# Altium PCB HUB V1.3B.240322_TG.PcbDoc
Units mm, origin at the board's own origin, x right, y up, seen from the top; angles counter-clockwise.
Board outline 69 x 48 mm, 2 copper layers (Top Layer, Bottom Layer); 112 components, 84 nets, 308 pads, 142 vias.
Unrouted connection lines stored in the file: 37.
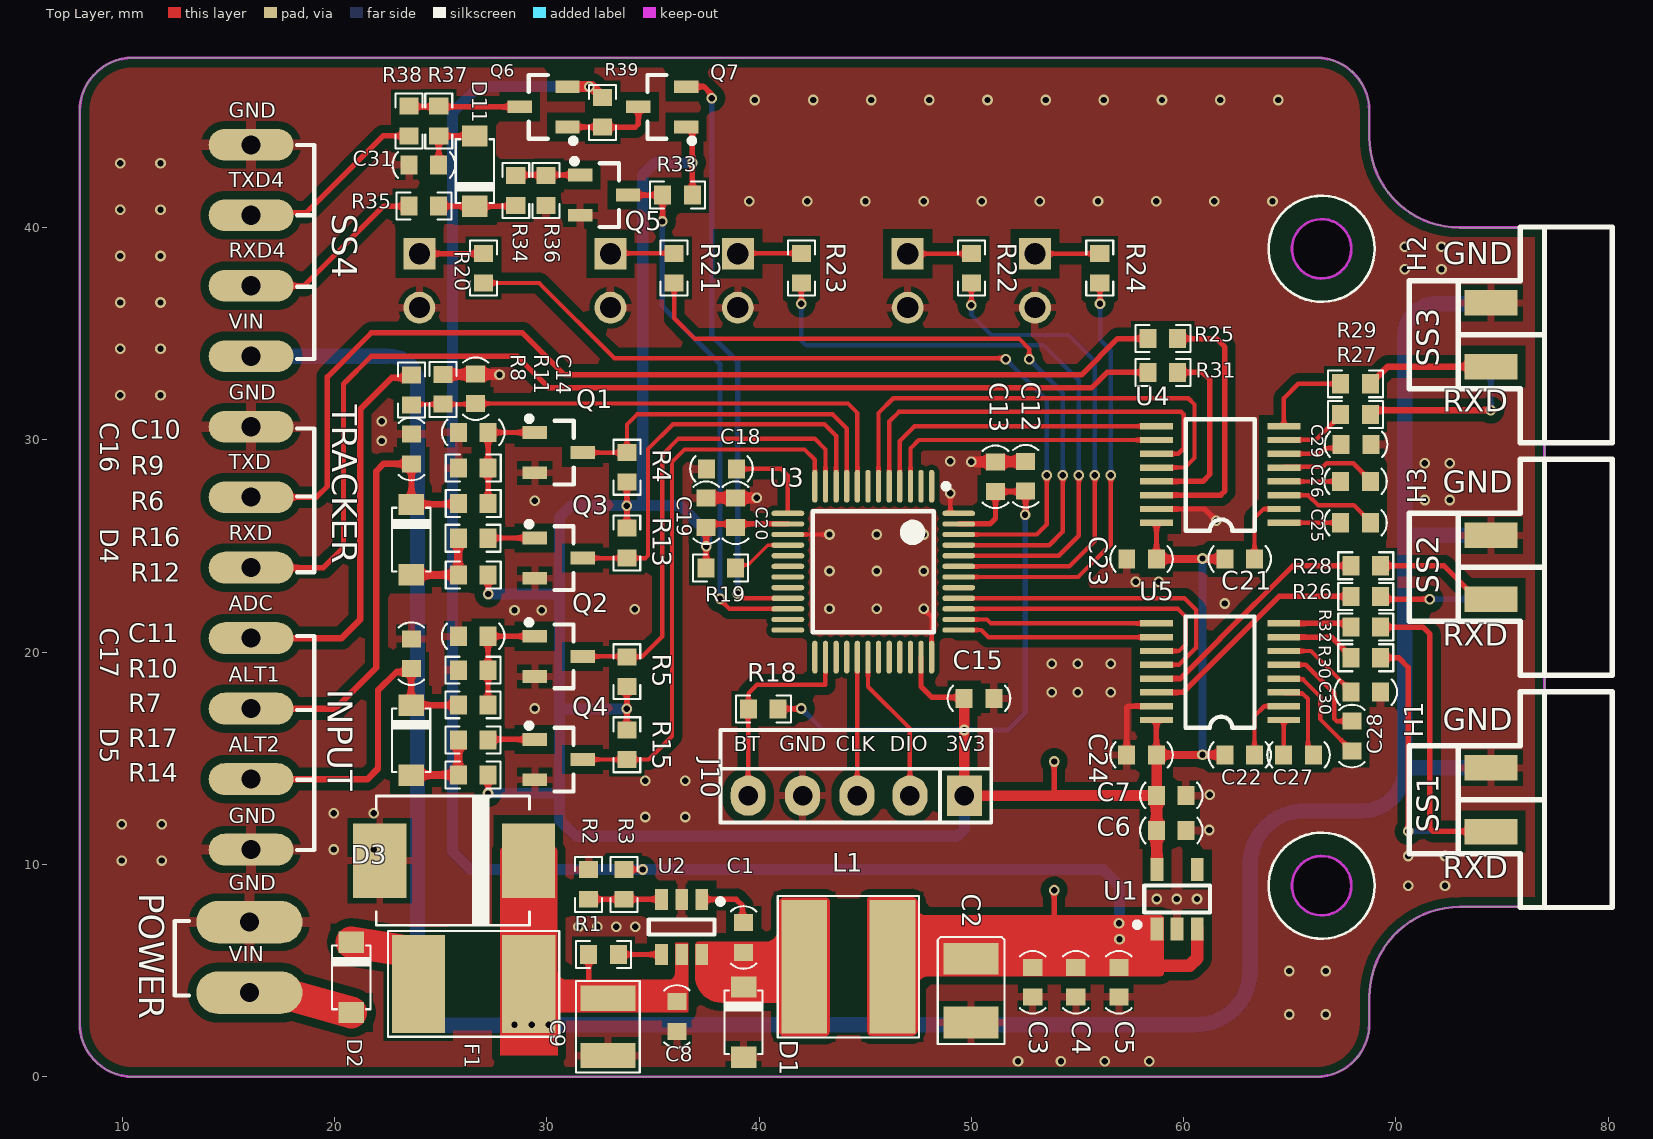
[diagram p0: Top Layer view]
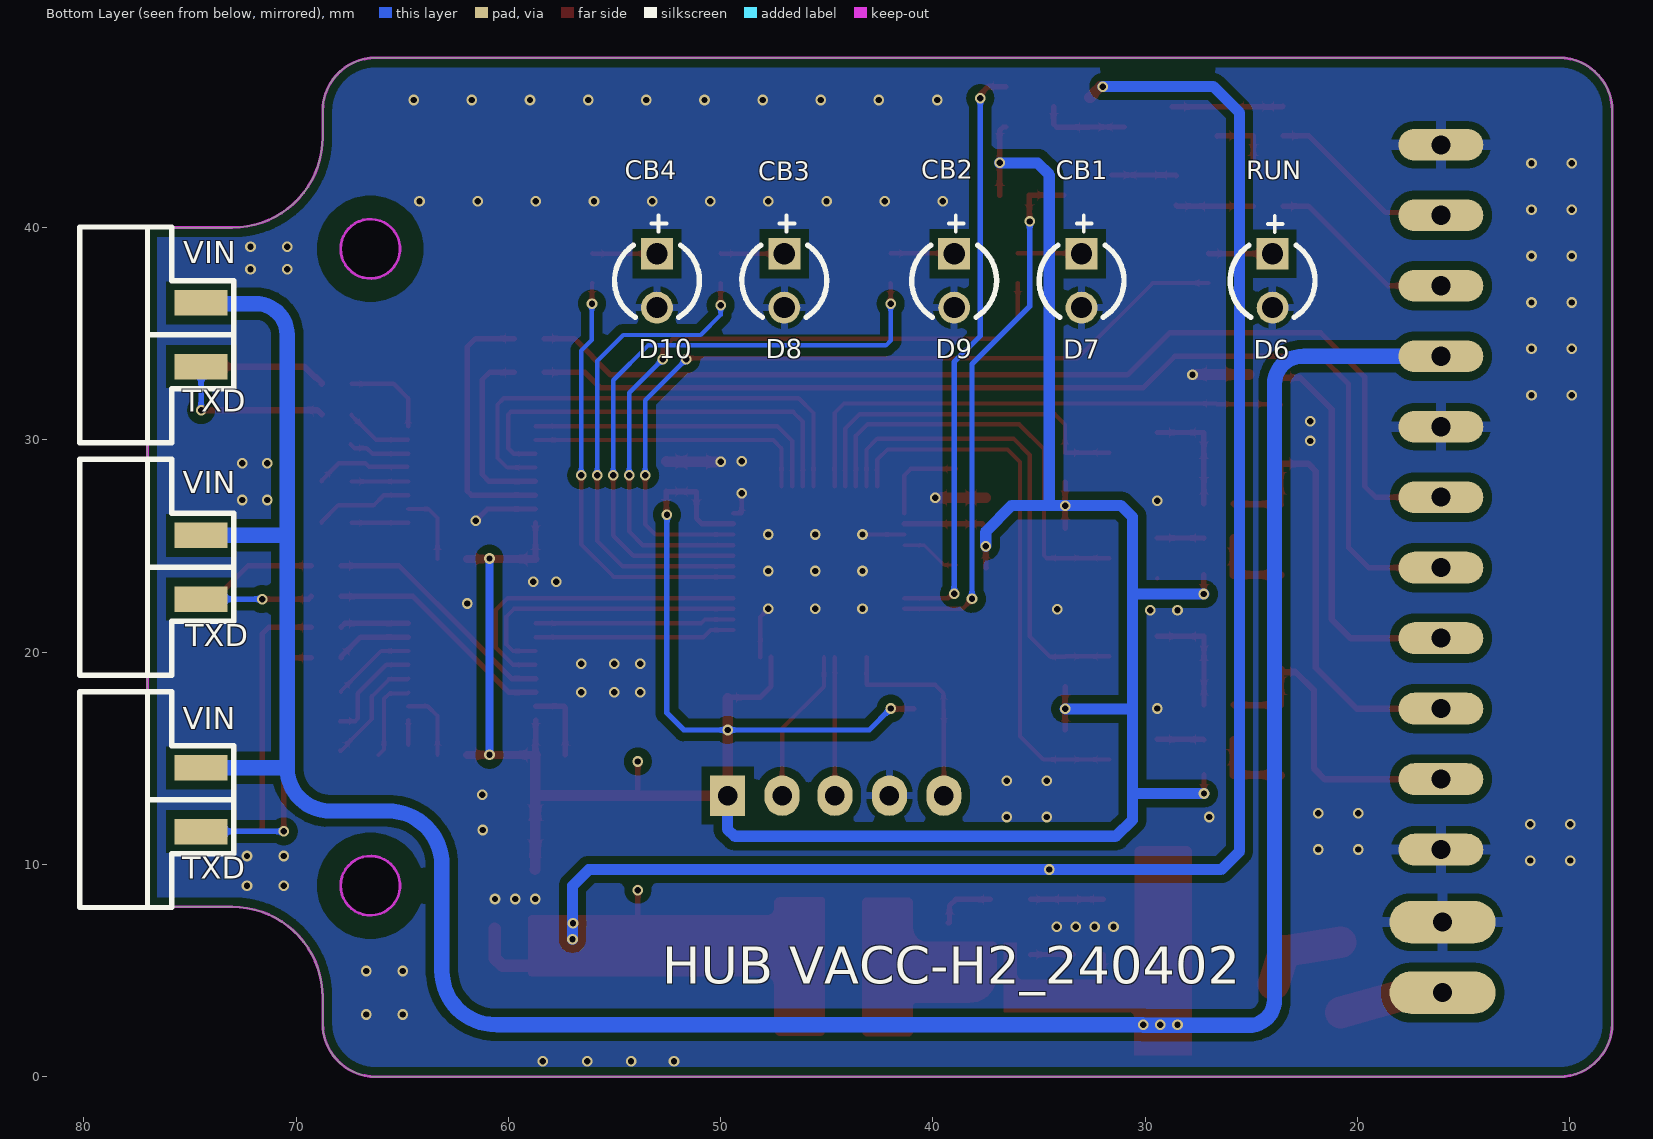
[diagram p1: Bottom Layer view, seen from below]
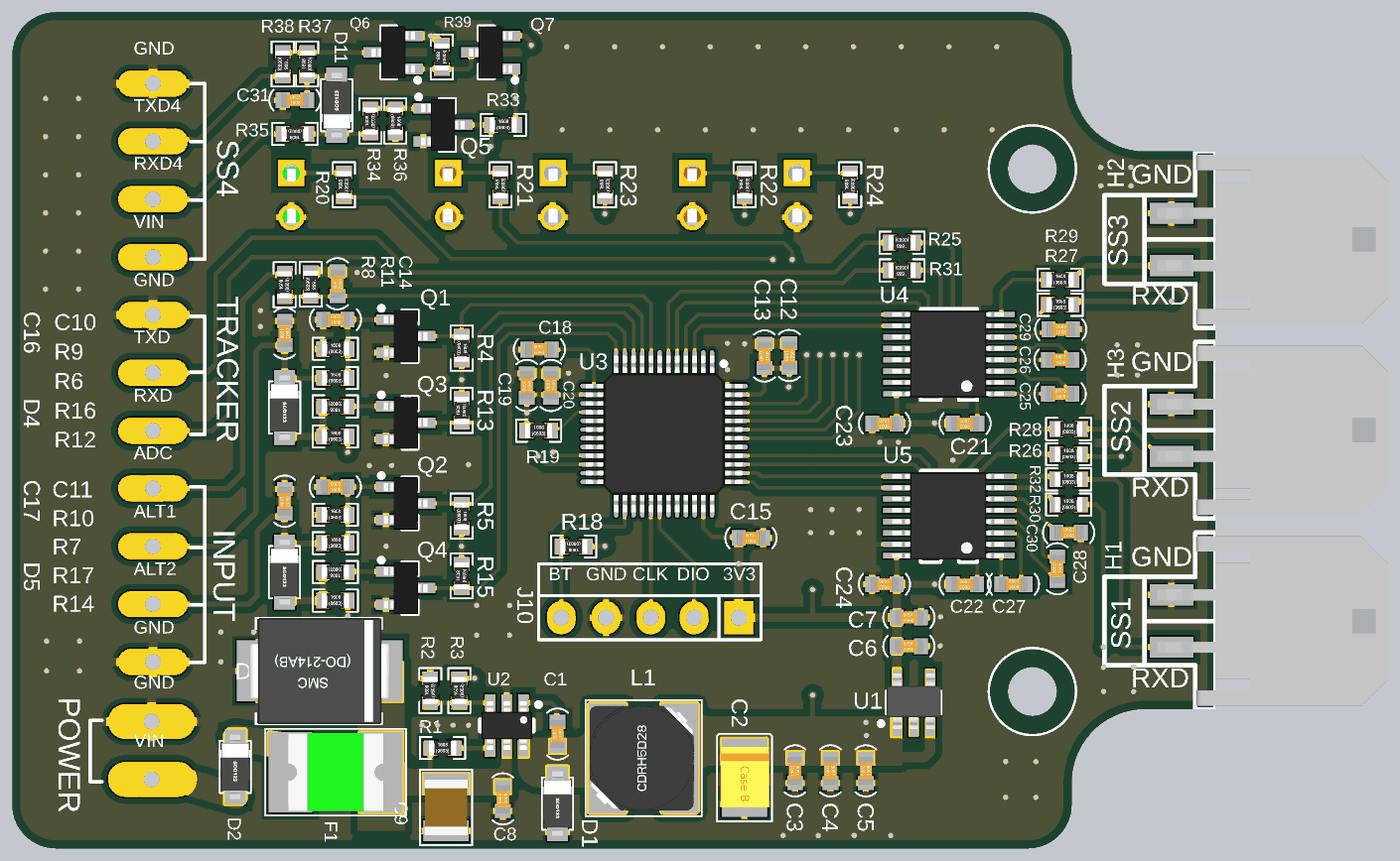
[diagram p2: 3D render of the assembled board from above, using the file's embedded part models]
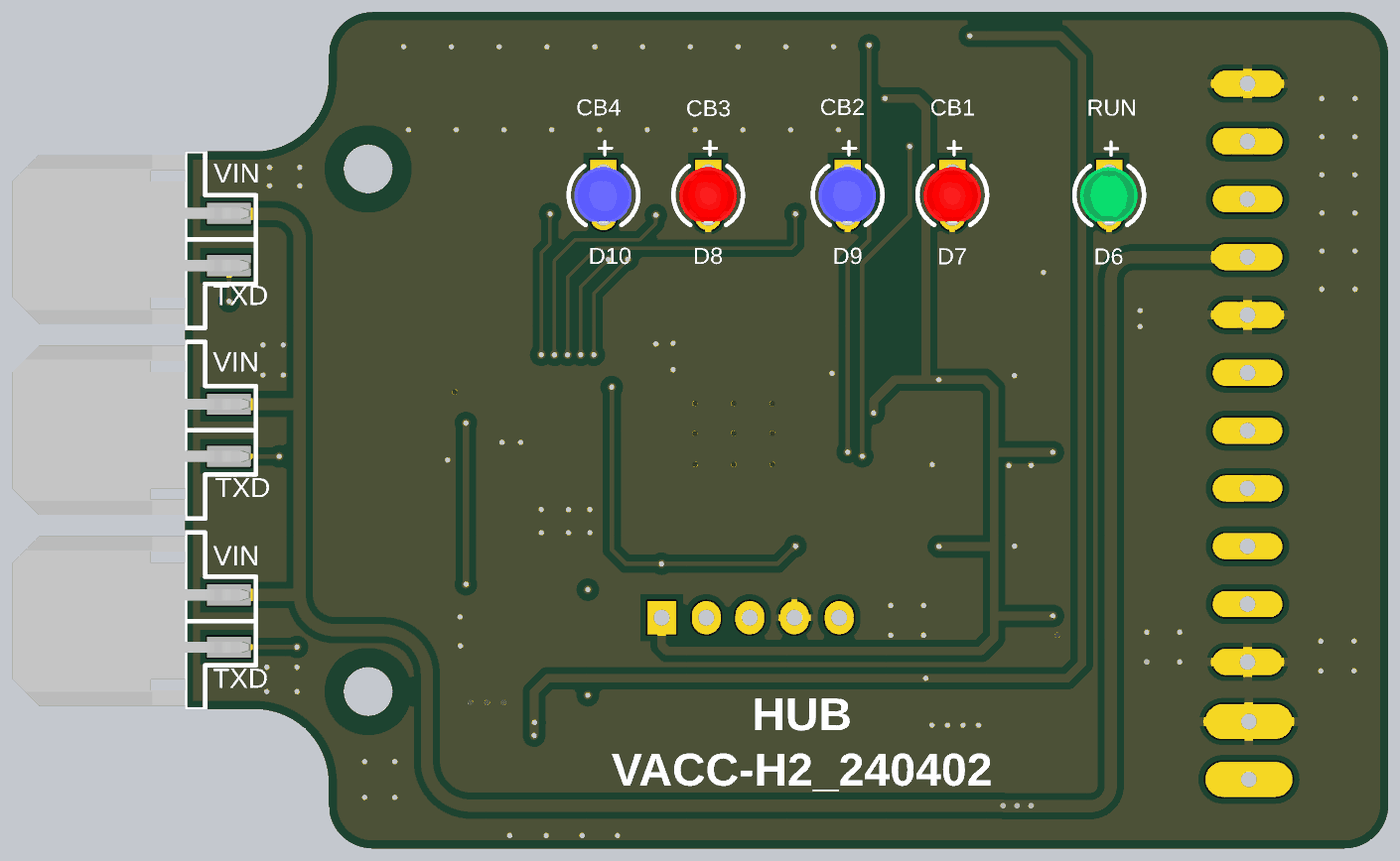
[diagram p3: 3D render of the assembled board from below, using the file's embedded part models]

## Layer stack, top to bottom
Top Solder: solder mask 0.0102, Solder Resist, Dk 3.5
Top Layer: signal copper 0.0356
Dielectric 1: dielectric 0.32, FR-4, Dk 4.8
Bottom Layer: signal copper 0.0356
Bottom Solder: solder mask 0.0102, Solder Resist, Dk 3.5

## Board outline
8,2.5 ccw(c10.5,2.5) 10.5,0 66.25,0 ccw(c66.25,2.5) 68.75,2.5 68.75,3.75 cw(c73,3.75) 73,8 77,8 77,40 73,40 cw(c73,44.25) 68.75,44.25 68.75,45.5 ccw(c66.25,45.5) 66.25,48 10.5,48 ccw(c10.5,45.5) 8,45.5
cut-out: 65.1,39 ccw(c66.5,39) 66.5,37.6 ccw(c66.5,39) 67.9,39 ccw(c66.5,39) 66.5,40.4 ccw(c66.5,39)
cut-out: 65.1,9 ccw(c66.5,9) 66.5,7.6 ccw(c66.5,9) 67.9,9 ccw(c66.5,9) 66.5,10.4 ccw(c66.5,9)

## Design rules (kind name [scope] priority, off if disabled: settings)
Clearance MCU [HasFootprint('LQFP48')] p1: gap=0.254 ignorepadtopadclearanceinfootprint=FALSE except(0.2: Track-Track Track-SMDPad SMDPad-SMDPad)
Clearance Polygon [InNamedPolygon('BOT GND')or InNamedPolygon('TOP GND')] p2: gap=0.4 ignorepadtopadclearanceinfootprint=FALSE
Clearance [All] p3: gap=0.254 ignorepadtopadclearanceinfootprint=FALSE
MinimumSolderMaskSliver [All] p1: minsoldermaskwidth=0
PolygonConnect PolygonConnect_1 [HasFootprint('TP1')] p1: thpad.connectstyle=Relief thpad.reliefconductorwidth=0.5 thpad.reliefentries=4 thpad.polygonreliefangle="90 Angle" thpad.airgapwidth=0.35 smdpad.connectstyle=Relief smdpad.reliefconductorwidth=0.254 smdpad.reliefentries=4 smdpad.polygonreliefangle="90 Angle" smdpad.airgapwidth=0.254 via.connectstyle=NoConnect via.reliefconductorwidth=0.254 via.reliefentries=4 via.polygonreliefangle="90 Angle" via.airgapwidth=0.254
PolygonConnect [All] p2: thpad.connectstyle=Relief thpad.reliefconductorwidth=0.35 thpad.reliefentries=4 thpad.polygonreliefangle="90 Angle" thpad.airgapwidth=0.254 smdpad.connectstyle=Relief smdpad.reliefconductorwidth=0.35 smdpad.reliefentries=4 smdpad.polygonreliefangle="90 Angle" smdpad.airgapwidth=0.254 via.connectstyle=Direct via.reliefconductorwidth=0.254 via.reliefentries=4 via.polygonreliefangle="90 Angle" via.airgapwidth=0.254
RoutingVias [All] p1: holewidth=0.3 width=0.5 viastyle="Through Hole" minholewidth=0.3 minwidth=0.5 maxholewidth=0.3 maxwidth=0.5
SilkToSilkClearance [All] p1: silktosilkclearance=0
SilkToSolderMaskClearance [IsPad] p1: minsilkscreentomaskgap=0 clearancetoexposedcopper=TRUE
SolderMaskExpansion [All] p1: expansion=0.102 istentingtop=FALSE
Width [All] p1: maxlimit=3 minlimit=0.152 preferedwidth=0.254 minimp=50.000000 maximp=50.000000 favimp=50.000000
27 further rules are at their usual default settings.

## Components (designator, comment, footprint, x,y, rotation, side; value= is the part's Value field where it differs from the comment)
C1 "100nF" "0603 - C" 39.27,6.56 r270 top
C2 "107B" "3528 - TANTALUM" 49.99,4.06 r270 top value=100uF/6.3V
C3 "100nF" "0603 - C" 52.89,4.45 r90 top
C4 "10uF" "0603 - C" 54.92,4.45 r90 top
C5 "100nF" "0603 - C" 56.95,4.45 r90 top
C6 "10uF" "0603 - C" 59.42,11.6 r180 top
C7 "100nF" "0603 - C" 59.418,13.25 r180 top
C8 "100nF" "0603 - C" 36.13,2.84 r90 top
C9 "3.3uF/100V" "1210 - C" 32.88,2.35 r90 top
C10 "22pF" "0603 - C" 26.535,30.35 r0 top
C11 "22pF" "0603 - C" 26.53,20.75 r0 top
C12 "2.2uF" "0603 - C" 52.56,28.29 r270 top
C13 "100nF" "0603 - C" 51.135,28.262 r90 top
C14 "100nF" "0603 - C" 26.65,32.41 r270 top
C15 "100nF" "0603 - C" 50.36,17.82 r180 top
C16 "100nF" "0603 - C" 23.625,29.57 r270 top
C17 "100nF" "0603 - C" 23.62,19.93 r270 top
C18 "2.2uF" "0603 - C" 38.228,28.635 r180 top
C19 "2.2uF" "0603 - C" 37.508,26.568 r270 top
C20 "100nF" "0603 - C" 38.891,26.568 r90 top
C21 "100nF" "0603 - C" 62.64,24.39 r180 top
C22 "100nF" "0603 - C" 62.638,15.16 r180 top
C23 "100nF" "0603 - C" 58.02,24.39 r180 top
C24 "100nF" "0603 - C" 58.018,15.16 r180 top
C25 "100nF" "0603 - C" 68.094,26.095 r0 top
C26 "100nF" "0603 - C" 68.094,28.044 r0 top
C27 "100nF" "0603 - C" 65.413,15.16 r0 top
C28 "100nF" "0603 - C" 67.929,16.05 r90 top
C29 "100nF" "0603 - C" 68.124,29.787 r0 top
C30 "100nF" "0603 - C" 68.579,18.12 r0 top
C31 "100nF" "0603 - C" 24.21,42.95 r0 top
D1 "60V 2A" SOD-123 39.27,2.57 r0 top
D2 "60V 2A" SOD-123 20.79,4.68 r0 top
D3 "SMCJ33A" "DIODE - SMC" 25.63,10.18 r180 top
D4 "1N4148" SOD-123 23.615,25.3 r0 top
D5 "1N4148" SOD-123 23.612,15.85 r0 top
D6 "LED 3mm Green" "LED-3mm GREEN" 24,37.5 r270 bottom locked
D7 "LED 3mm RED" "LED-3mm RED" 33,37.5 r270 bottom
D8 "LED 3mm RED" "LED-3mm RED" 47,37.5 r270 bottom locked
D9 "LED 3mm Blue" "LED-3mm BLUE" 39,37.5 r270 bottom
D10 "LED 3mm Blue" "LED-3mm BLUE" 53,37.5 r270 bottom locked
D11 "1N4148" SOD-123 26.61,42.66 r180 top
F1 "60V-750mA" "2016 - Fuse" 26.55,4.37 r0 top
H1 "MX3.0 RA 2*2P S" 43045-M3045-2x2-B 78.92,13.05 r90 top locked
H2 "MX3.0 RA 2*2P S" 43045-M3045-2x2-B 78.92,34.95 r90 top locked
H3 "MX3.0 RA 2*2P S" 43045-M3045-2x2-B 78.92,24 r90 top locked
J1 "Test Point" TP1#1 16.07,27.3 r0 top
J2 "Test Point" TP1#1 16.07,23.98 r0 top
J3 "Test Point" TP1#2 15.99,3.96 r0 top
J4 "Test Point" TP1#1 16.07,30.62 r0 top
J5 "Test Point" TP1#2 15.99,7.28 r0 top
J6 "Test Point" TP1#1 16.07,17.34 r0 top
J7 "Test Point" TP1#1 16.07,14.02 r0 top
J8 "Test Point" TP1#3 16.07,20.16 r0 top
J9 "Test Point" TP1#1 16.07,10.7 r0 top
J10 "Jumper 5" "JP5 - 1" 44.615,13.24 r180 top
J11 "Test Point" TP1#1 16.07,40.58 r180 top
J12 "Test Point" TP1#1 16.07,37.26 r180 top
J13 "Test Point" TP1#1 16.07,33.94 r180 top
J14 "Test Point" TP1#1 16.07,43.9 r180 top
L1 "33uH, 1.5A" INDUCTOR-5D28 44.21,5.181 r0 top
Q1 "DTC143Z" SOT23B 30.565,29.4 r0 top
Q2 "DTC143Z" SOT23B 30.56,19.8 r0 top
Q3 "DTC143Z" SOT23B 30.56,24.43 r0 top
Q4 "DTC143Z" SOT23B 30.56,14.94 r0 top
Q5 "2N3904" SOT23B 32.7,41.53 r0 top
Q6 "2N3906" SOT23B 29.85,45.69 r180 top
Q7 "2N3904" SOT23B 35.44,45.69 r180 top
R1 "1M" "0603 - R" 32.676,5.756 r0 top
R2 "15K" "0603 - R" 31.97,9.06 r90 top
R3 "82K" "0603 - R" 33.64,9.06 r90 top
R4 "10K" "0603 - R" 33.775,28.71 r270 top
R5 "10K" "0603 - R" 33.77,19.08 r270 top
R6 "10K" "0603 - R" 26.535,26.995 r0 top
R7 "10K" "0603 - R" 26.53,17.52 r0 top
R8 "10K" "0603 - R" 23.62,32.35 r90 top
R9 "5.6K" "0603 - R" 26.535,28.672 r0 top
R10 "5.6K" "0603 - R" 26.53,19.15 r0 top
R11 "10K" "0603 - R" 25.11,32.38 r270 top
R12 "10K" "0603 - R" 26.535,23.64 r0 top
R13 "10K" "0603 - R" 33.77,25.14 r90 top
R14 "10K" "0603 - R" 26.532,14.22 r0 top
R15 "10K" "0603 - R" 33.77,15.64 r90 top
R16 "10K" "0603 - R" 26.53,25.367 r180 top
R17 "10K" "0603 - R" 26.53,15.86 r180 top
R18 "10K" "0603 - R" 40.2,17.33 r180 top
R19 "10K" "0603 - R" 38.19,23.97 r0 top
R20 "1K" "0603 - R" 27.02,38.09 r90 top
R21 "1K" "0603 - R" 36,38.09 r90 top
R22 "1K" "0603 - R" 50,38.09 r90 top
R23 "1K" "0603 - R" 42,38.09 r90 top
R24 "1K" "0603 - R" 56.05,38.09 r90 top
R25 "1K" "0603 - R" 59.02,34.77 r180 top
R26 "1K" "0603 - R" 68.58,22.625 r0 top
R27 "1K" "0603 - R" 68.094,31.201 r0 top
R28 "1K" "0603 - R" 68.58,24.07 r0 top
R29 "1K" "0603 - R" 68.094,32.642 r0 top
R30 "1K" "0603 - R" 68.58,19.735 r0 top
R31 "1K" "0603 - R" 59.02,33.18 r180 top
R32 "1K" "0603 - R" 68.58,21.18 r0 top
R33 "10K" "0603 - R" 36.16,41.53 r0 top
R34 "10K" "0603 - R" 28.54,41.75 r90 top
R35 "1K" "0603 - R" 24.21,41.01 r180 top
R36 "10K" "0603 - R" 29.97,41.75 r270 top
R37 "10K" "0603 - R" 24.91,45.02 r90 top
R38 "1K" "0603 - R" 23.51,45.02 r270 top
R39 "1K" "0603 - R" 32.63,45.43 r90 top
U1 "TLV73333PDBVR" SOT23-5 59.69,8.36 r90 top
U2 "HT7463A/HT7463B" SOT23-6_L 36.356,7.053 r270 top
U3 "HT32F52253" LQFP48 45.38,23.79 r270 top locked
U4 "MB3232I" TSSOP16 61.72,28.37 r180 top locked
U5 "MB3232I" TSSOP16 61.718,19.08 r180 top locked

## Footprints (in the part's own frame and the unit in brackets; to place one, negate y for a bottom-side part, rotate by r counter-clockwise, add the part's x,y. Pads: shape width x height; smd on the part's side, far side on the other; paste and mask are expansions set on the pad)
"0603 - C" [mm] "Chip Capacitor, Body 1.6x0.8mm, IPC High Density"
  rect 0.8x0.9 smd: 1(-0.7,0) 2(0.7,0)
  silkscreen extent -1.47,-0.6 1.47,0.6, body extent -0.8,-0.4 0.8,0.4, height 0.8
"0603 - R" [mm] "Chip Resistor, Body 1.6x0.8mm, IPC High Density"
  rect 0.8x0.9 smd paste-0.025: 1(-0.7,0) 2(0.7,0)
  silkscreen extent -1.3,-0.64 1.3,0.64, body extent -0.77,-0.42 0.78,0.43, height 0.45
"1210 - C" [mm] "Chip Capacitor, Body 3.2x2.5mm, IPC High Density"
  rect 1.2x2.6 smd: 1(-1.35,0) 2(1.35,0)
  silkscreen extent -2.16,-1.5 2.16,1.5, body extent -1.6,-1.25 1.6,1.25, height 2.5
"2016 - Fuse" [mm] "Chip Resetable Fuse,  Body 5.1x4.2mm, IPC High Density"
  rect 2.5x4.6 smd: 1(-2.6,0) 2(2.6,0)
  silkscreen extent -4.04,-2.49 4.04,2.49, body extent -2.72,-2.25 2.72,2.26, height 2
"3528 - TANTALUM" [mm] "Chip Inductor, Body 3.2x1.6mm, IPC High Density"
  rect 1.5x2.6 smd: 1(-1.5,0) 2(1.5,0)
  silkscreen extent -2.51,-1.57 2.51,1.57, body extent -1.78,-1.38 1.72,1.42, height 1.9
43045-M3045-2x2-B [mm] "Micro-Fit 3.0™ Vertical Angle Header, 3.00mm Pitch, Dual Row, 4 Circuits, with Solder Tab, Gold, Glow Wire Capable, Black"
  rect 1.2x2.5 smd far side: 1(-1.5,4.445) 3(1.5,4.445)
  rect 1.2x2.5 smd: 2(-1.5,4.445) 4(1.5,4.445)
  silkscreen extent -5.08,-1.27 5.08,5.99, body extent -4.86,-7.97 4.86,5.68, height 3.62
"DIODE - SMC" [mm] "Diode; 2 Leads, 6.8x5.9mm"
  rect 2.5x3.5 smd: 1(3.5,0) 2(-3.5,0)
  silkscreen extent -3.56,-3.1 3.66,3.05, body extent -4.06,-3.05 4.07,3.05, height 2.4
INDUCTOR-5D28 [mm] "Shielded Inductor 6x6mm"
  rect 2.15x6.3 smd: 1(-2.075,0) 2(2.075,0)
  silkscreen extent -3.33,-3.33 3.33,3.33, body extent -3.1,-3 2.9,3, height 3
"JP5 - 1" [mil] "Jumper 5, 2.54x5p"
  rect 65x75 hole 36.02: 1(-199,0)
  oval 65x75 hole 36.02: 2(-98,0) 3(0,0) 4(101,0) 5(202,0)
  silkscreen extent -249,-50 253,50
"LED-3mm BLUE" [mm]
  rect 1.5x1.5 hole 1: 1(-1.27,0)
  round 1.5 hole 1: 2(1.27,0)
  silkscreen extent -3.07,-2 1.71,2, body extent -1.61,-1.68 1.6,1.62, height 4.98
"LED-3mm GREEN" [mm]
  rect 1.5x1.5 hole 1: 1(-1.27,0)
  round 1.5 hole 1: 2(1.27,0)
  silkscreen extent -3.05,-2 1.71,2, body extent -1.61,-1.67 1.61,1.62, height 4.98
"LED-3mm RED" [mm]
  rect 1.5x1.5 hole 1: 1(-1.27,0)
  round 1.5 hole 1: 2(1.27,0)
  silkscreen extent -3.07,-2 1.71,2, body extent -1.61,-1.65 1.6,1.64, height 4.98
LQFP48 [mm] "Thin QFP, 48-Leads, Body 7x7mm, Pitch 0.5mm, IPC High Density"
  oval 1.55x0.25 smd: 1(-4.025,2.75) 2(-4.025,2.25) 3(-4.025,1.75) 4(-4.025,1.25) 5(-4.025,0.75) 6(-4.025,0.25) 7(-4.025,-0.25) 8(-4.025,-0.75) 9(-4.025,-1.25) 10(-4.025,-1.75) 11(-4.025,-2.25) 12(-4.025,-2.75) 25(4.025,-2.75) 26(4.025,-2.25) 27(4.025,-1.75) 28(4.025,-1.25) 29(4.025,-0.75) 30(4.025,-0.25) 31(4.025,0.25) 32(4.025,0.75) 33(4.025,1.25) 34(4.025,1.75) 35(4.025,2.25) 36(4.025,2.75)
  oval 0.25x1.55 smd: 13(-2.75,-4.025) 14(-2.25,-4.025) 15(-1.75,-4.025) 16(-1.25,-4.025) 17(-0.75,-4.025) 18(-0.25,-4.025) 19(0.25,-4.025) 20(0.75,-4.025) 21(1.25,-4.025) 22(1.75,-4.025) 23(2.25,-4.025) 24(2.75,-4.025) 37(2.75,4.025) 38(2.25,4.025) 39(1.75,4.025) 40(1.25,4.025) 41(0.75,4.025) 42(0.25,4.025) 43(-0.25,4.025) 44(-0.75,4.025) 45(-1.25,4.025) 46(-1.75,4.025) 47(-2.25,4.025) 48(-2.75,4.025)
  silkscreen extent -4.15,-2.85 2.85,3.55, body extent -4.5,-4.5 4.5,4.5, height 1.6
SOD-123 [mm] "SOD123, 2-Leads, Body 2.6x1.6mm, Pitch 3.05mm, IPC High Density"
  rect 1.2x1 smd: 1(0,-1.652) 2(0,1.652)
  silkscreen extent -0.9,-1.5 0.9,1.5, body extent -0.8,-1.85 0.8,1.85, height 1.27
SOT23-5 [mm] "SOT23, 5-Leads, Body 2.10x2.30mm, Pitch 0.65mm, IPC Medium Density"
  rect 1.1x0.6 smd paste-0.05: 1(-1.4,0.95) 2(-1.4,0) 3(-1.4,-0.95) 4(1.4,-0.95) 5(1.4,0.95)
  silkscreen extent -1.32,-1.55 0.65,2, body extent -1.52,-1.56 1.68,1.54, height 1.45
SOT23-6_L [mm] "SOT23, 6-Leads, Body 2.9x1.6mm, Pitch 0.95mm, Lead Span 2.7mm, IPC High Density"
  rect 1x0.6 smd paste-0.025: 1(-1.3,0.95) 2(-1.3,0) 3(-1.3,-0.95) 4(1.3,-0.95) 5(1.3,0) 6(1.3,0.95)
  silkscreen extent -1.32,-1.55 0.35,1.95, body extent -1.4,-1.45 1.4,1.45, height 1.45
SOT23B [mm] "SOT23, 3-Leads, Body 2.9x1.3mm, Pitch 0.95mm, Lead Span 2.4mm, IPC High Density"
  rect 1.15x0.6 smd: 1(-1.125,0.95) 2(-1.125,-0.95) 3(1.125,0)
  silkscreen extent -1.52,-1.5 0.7,1.73, body extent -1.25,-1.5 1.25,1.5, height 1.05
TP1#1 [mm] "TP1, 1mm, 1 layer"